# Altium PCB Bran_Main_Assay_PCB_v2_20170828.pcbdoc (part 5 of 5)
Units mil, origin at the board's own origin, x right, y up, seen from the top; angles counter-clockwise.
Board outline 3608.46 x 1899.79 mil, 6 copper layers (TOP, GND1, Singal, POWER, GND2, BOTTOM), stack 31.508 mil thick; 367 components, 288 nets, 1408 pads, 967 vias.
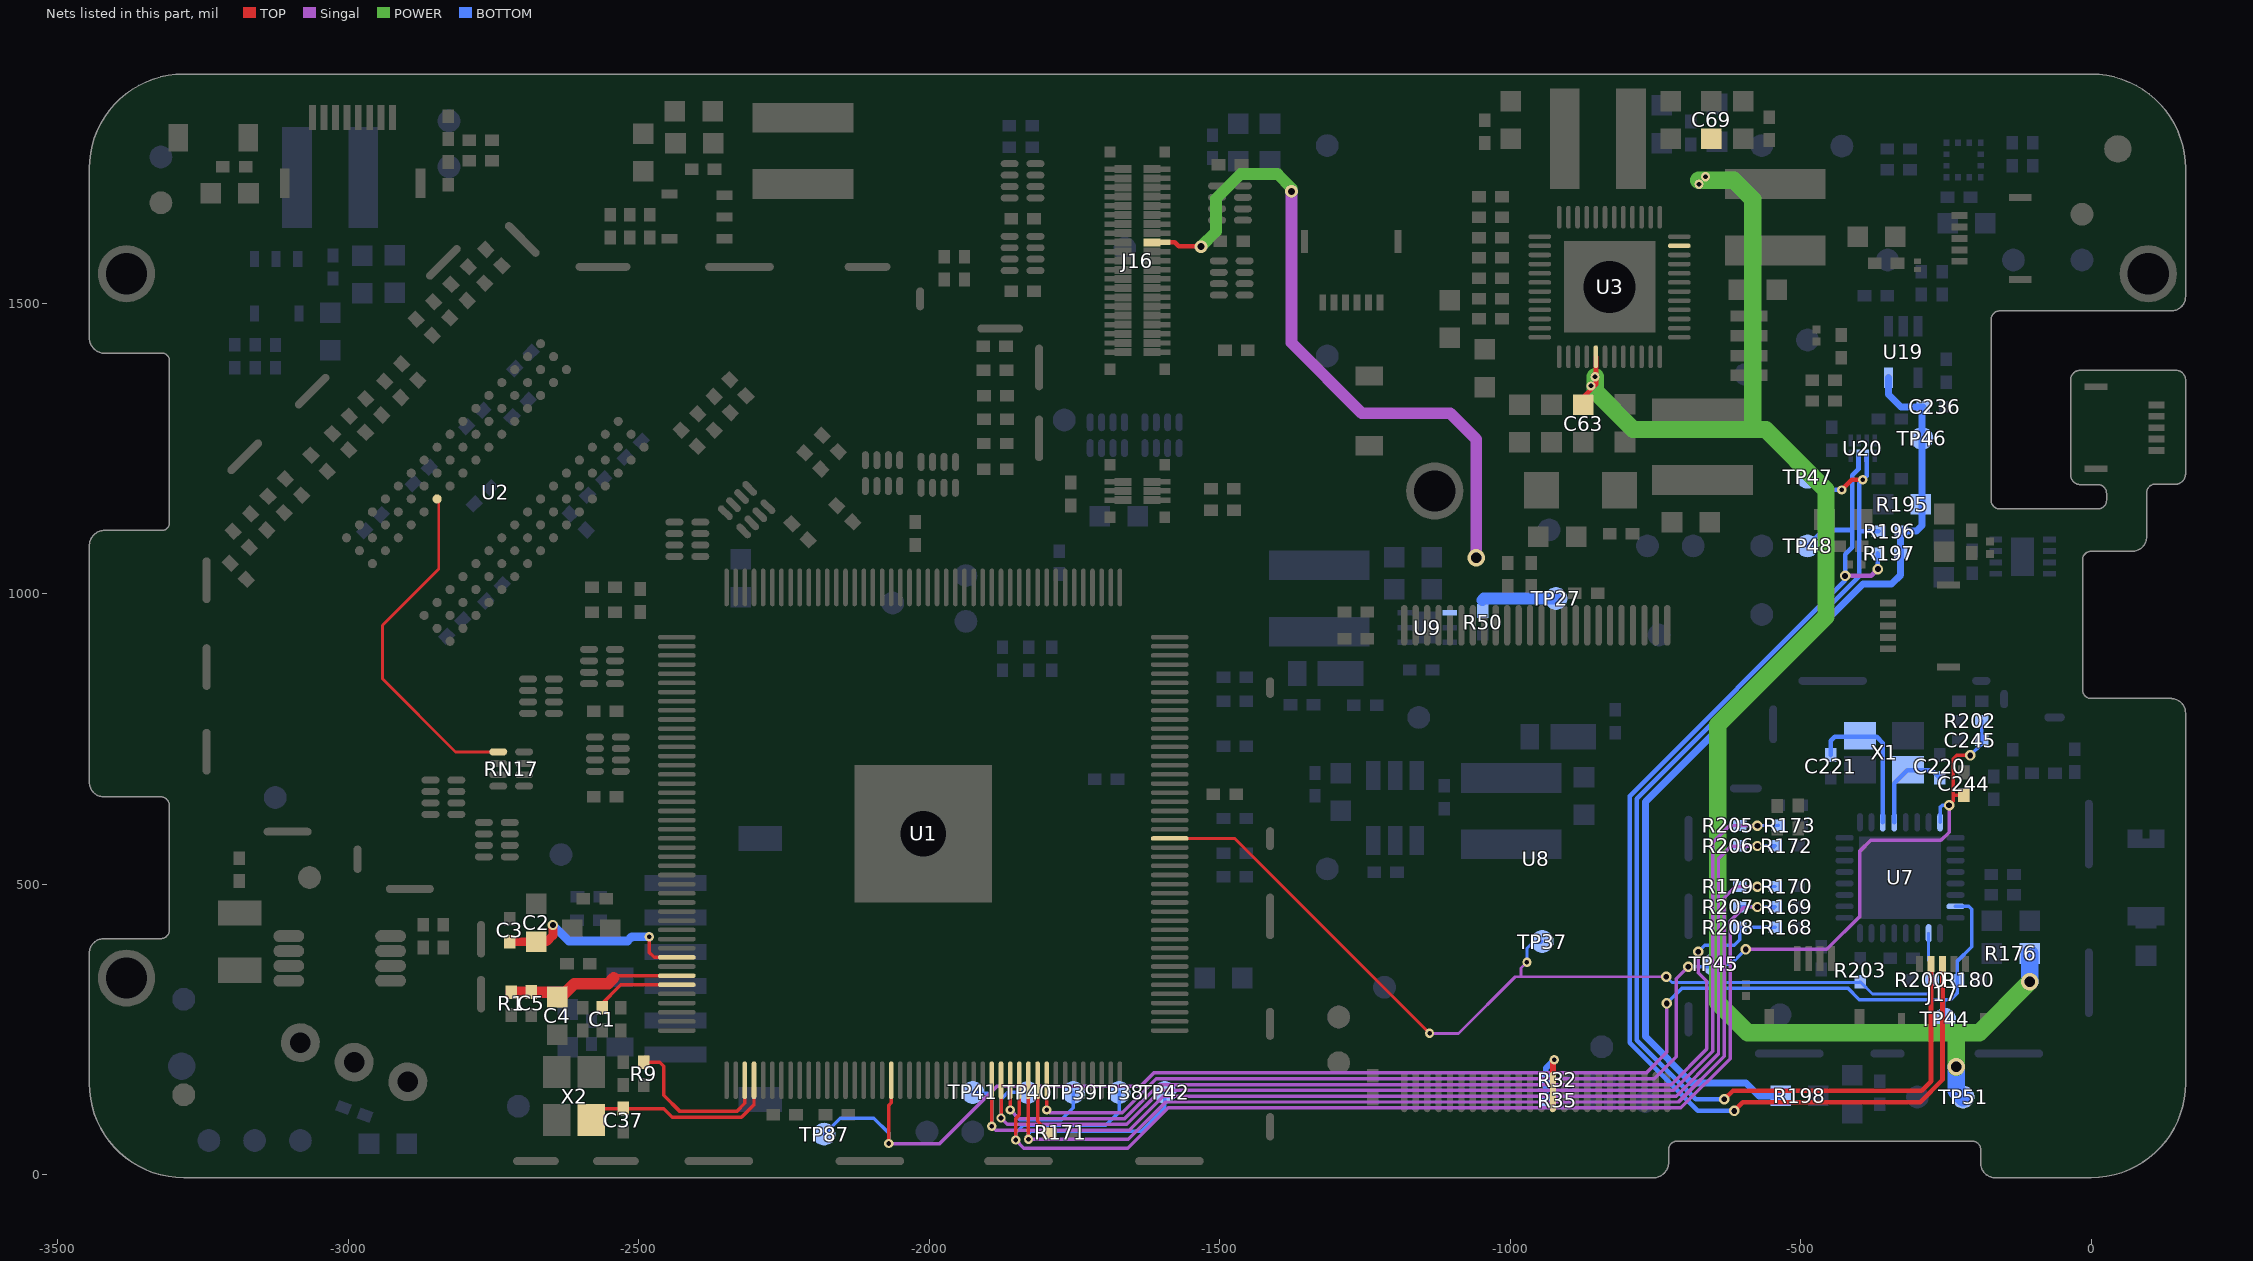
[diagram p9: the nets of this part, all layers, seen from the top]

## Via types
v1: diameter 16, hole 8, TOP to BOTTOM, tented both sides, 424 vias
v2: diameter 18, hole 10, TOP to BOTTOM, tented both sides, 255 vias
v3: diameter 22, hole 12, TOP to BOTTOM, tented both sides, 195 vias
v4: diameter 30, hole 18, TOP to BOTTOM, tented both sides, 69 vias
v5: diameter 24, hole 13, TOP to BOTTOM, tented both sides, 11 vias
v6: diameter 19.68, hole 7.87, TOP to BOTTOM, 9 vias
v7: diameter 22, hole 2, TOP to BOTTOM, tented both sides, 2 vias
v8: diameter 17.99, hole 10, TOP to BOTTOM, tented both sides, 1 vias
v9: diameter 20, hole 10, TOP to BOTTOM, tented both sides, 1 vias

## Nets (pads, with @x,y where several pads share a name; then routed paths per layer and width w, separated by ;. In a path a pad name is that pad's centre, name@x,y a point inside that pad or via, vN(x,y) a via of type N, cw(c..) or ccw(c..) an arc to the next point about the centre after c; other vN are vias at no path point) (continued)
VLED-: J16.17 R50.2 TP27.1 U9.1 | length 1325.9
  TOP w8: J16.17@-1616.73,1605.12 J16.17@-1593.5,1605.12 -1577.55,1605.12 -1570.67,1598.24 -1532.95,1598.24 v3(-1532.45,1597.74)
  Singal w20: v3(-1376.46,1693) -1376.45,1432.02 -1255.43,1311 -1103.46,1311 -1058.46,1266 v4(-1058.46,1062) v4@-1058.46,1060
  POWER w20: v3(-1532.45,1597.74) -1506.45,1623.74 -1506.45,1680.02 -1463.72,1722.74 -1400.69,1722.74 -1376.46,1698.51 v3(-1376.46,1693)
  BOTTOM w20: -1048.46,989 -1045.34,992.13 TP27.1@-921.26,992.13
VOC_1V8: C236.1 R195.2 R196.1 R197.1 R198.2 TP46.1 U19.5 | length 1698.2
  BOTTOM w12: R198.2@-534.44,135.99 -571.94,135.99 -593.95,158 -687.68,158 -767.46,237.79 -767.46,642.2 -392.67,1017 -343.46,1017 -327.78,1032.68 R197.1@-327.78,1070 R196.1@-327.78,1107 ; U19.5@-349.06,1372.32 -349.06,1343.59 -327.46,1322 C236.1@-289.15,1322 -291.31,1319.84 -290.96,1319.5 -290.96,1267.72 -290.96,1154 -290.96,1117.5 -300.46,1108 R196.1@-326.78,1108
VOC_SCL: J17.2 R196.2 TP47.1 U20.2 | length 2077.8
  TOP w8: v2(-631.46,130) -616.46,145 -291.46,145 -275.59,160.87 J17.2@-275.59,363.19 ; v1(-429.3,1178.99) -411.85,1196.44 v1(-393.02,1196.44)
  BOTTOM w8: v2(-631.46,130) -680.46,130 -782.46,232 -782.46,647 -399.46,1030 -399.46,1190 v1(-393.02,1196.44) -386.57,1202.89 U20.2@-386.57,1237.81 ; TP47.1@-488.19,1200.79 -466.39,1178.99 v1(-429.3,1178.99) ; -398.46,1108 R196.2@-366.15,1108
VOC_SDA: J17.3 R197.2 TP48.1 U20.3 | length 2160.4
  TOP w8: v2(-614.46,110) -599.46,125 -294.49,125 -255.91,163.59 J17.3@-255.91,363.19
  Singal w8: v2(-423.46,1031) -378.83,1031 v2(-367.15,1042.69)
  BOTTOM w8: v2@-615.46,110 -677.44,110 -794.46,227.03 -794.46,651.97 -423.96,1022.47 -423.96,1031 -423.96,1032.5 v2@-423.46,1033 ; TP48.1@-488.19,1082.68 -460.87,1110 -411.46,1110 ; v2(-423.46,1031) v2@-423.46,1033 ; U20.3@-400.35,1237.81 -400.35,1215.11 -411.46,1204 -411.46,1110 ; v2(-367.15,1042.69) R197.2@-367.15,1070 ; v2@-423.46,1033 -423.46,1068 -411.46,1080 -411.46,1110
VPS: R32.2 R35.1 U8.38 | length 132.7
  TOP w10: U8.38@-926.5,142.68 -926.5,195.83 v1(-924.02,198.31)
  BOTTOM w10: R35.1@-938.7,128.31 R32.2@-938.7,163.31 -938.7,183.62 v1(-924.02,198.31)
VRA1: C1.2 U1.83 | length 152.2
  TOP w6: C1.2@-2565.65,285.51 -2565.65,287.68 -2565.65,292.29 -2530.85,327.08 U1.83@-2434.64,327.08
VRA2: C4.2 C5.2 R1.2 U1.82 | length 315.8
  TOP w6: -2542.96,339.01 -2539.14,342.83 U1.82@-2434.64,342.83
  TOP w20: R1.2@-2719.94,314.41 -2685.31,314.41 -2640.78,314.41 C4.2@-2625.53,314.41 ; C4.2@-2640.78,306.13 -2633.8,306.13 C4.2@-2625.53,314.41 ; -2542.96,339.01 -2552.98,328.99 -2610.94,328.99 C4.2@-2625.53,314.41
VRP: C2.2 C3.2 U1.80 | length 354.7
  TOP w6: v1(-2482.02,409.63) -2482.43,409.22 -2482.43,383.31 -2473.44,374.32 U1.80@-2434.64,374.32
  TOP w15: C3.2@-2721.94,401.31 -2676.94,401.31 -2658.63,401.31 -2647.94,411.99 v2(-2647.94,429.99)
  BOTTOM w15: v2(-2647.94,429.99) -2620.5,402.54 -2519.5,402.54 -2512.41,409.63 v1(-2482.02,409.63)
WE: RN17.1 U2.L3 | length 602.4
  TOP w5: U2.L3@-2847.28,1163.41 -2844.43,1160.56 -2844.43,1042.92 -2941.43,945.92 -2941.43,853.91 -2815.55,728.03 RN17.1@-2742.03,728.03
WI-FI_EN: R180.1 TP44.1 TP87.1 U1.107 U7.7 | length 2496.4
  TOP w6: v1(-2070.02,53.83) -2070.02,119.37 -2065.55,123.83 U1.107@-2065.55,162.71
  Singal w6: v1(-2070.02,53.83) -1982.14,53.83 -1883.14,152.83 -1636.11,152.83 -1613.62,175.33 -766.14,175.33 -730.46,211 v2(-730.46,295)
  BOTTOM w6: TP87.1@-2181.1,69.97 -2153.53,97.54 -2095.49,97.54 -2070.02,72.06 v1(-2070.02,53.83) v1@-2070.02,51.74 ; v2(-730.46,295) -703.96,321.5 -418.96,321.5 -398.96,301.5 -253.46,301.5 ; TP44.1@-252.46,256.4 TP44.1@-251.97,255.91 ; TP44.1@-251.97,267.72 -253.46,269.21 -253.46,301.5 ; U7.7@-233.54,462.09 -210.56,462.09 -205.46,457 -205.46,392.68 -230.15,367.99 R180.1@-230.15,336 -230.15,313.32 -241.96,301.5 -253.46,301.5
WIFI_3V3: C63.2 C69.2 R176.1 TP51.1 U3.11 U3.41 | length 2810.8
  TOP w8: C63.2@-874.02,1325.81 -874.02,1338.31 -857.64,1354.68 -852.39,1359.94 -852.39,1373.99 -852.39,1407.98 U3.41@-852.64,1408.23
  POWER w30: v1(-853.94,1373.99) -853.94,1357.99 -853.94,1348.99 -787.95,1283 -577.46,1283 ; v1@-675.76,1711.81 -674.94,1711.81 -663.94,1711.81 -615.27,1711.81 -582.46,1679 -582.46,1288 -577.46,1283 ; v4@-231.94,184.99 -231.94,186 -231.94,244.83 ; v4(-105.46,332) -192.64,244.83 -231.94,244.83 ; -577.46,1283 -560.46,1283 -456.46,1179 -456.46,961 -642.46,775 -642.46,295.82 -591.48,244.83 -231.94,244.83
  BOTTOM w30: v4(-232.46,186) -232.46,144.95 -220.92,133.41 TP51.1@-220.47,132.96 ; R176.1@-105.96,381 -105.46,380.5 v4(-105.46,332)
  other v1: -860.94,1357.99 -674.94,1704.99 -663.94,1717.99
WL-RESTN: C244.2 C245.1 R202.1 TP45.1 U1.124 U7.32 | length 2242.4
  TOP w6: v1(-1797.83,111.73) U1.124@-1797.83,162.71 ; v2(-244.46,636) -237.15,643.31 -237.15,653.31 ; C244.2@-219.46,653.31 -237.15,653.31 ; v2(-207.94,721.99) -231.47,721.99 -237.15,716.31 -237.15,653.31
  Singal w6: v1(-1797.83,111.73) -1792.83,106.73 -1668.07,106.73 -1609.48,165.33 -751.94,165.33 -713.94,203.33 -713.94,337.52 v2(-693.46,358) ; v2(-594.46,388) -455.29,388 -397.96,445.33 -397.96,557.5 -379.46,576 -258.46,576 -244.46,590 v2(-244.46,636)
  BOTTOM w6: v2@-695.46,358 v2(-693.46,358) -653.81,358 TP45.1@-649.61,362.2 -620.26,362.2 v2(-594.46,388) ; U7.32@-260.12,606.78 -260.12,632.35 -256.46,636 v2(-244.46,636) ; v2(-207.94,721.99) -188.26,741.68 C245.1@-188.26,747.99 R202.1@-188.26,781.99
WL-SDIO-CLK: R171.1 U1.123 | length 99.2
  TOP w6: U1.123@-1813.58,162.71 -1813.58,92.43 R171.1@-1793.15,72
WL-SDIO-CMD: R170.1 R179.2 TP42.1 U1.122 | length 2053.4
  TOP w6: v1@-1832.83,64.5 v1(-1829.33,61) ; v1@-1829.33,59.86 v1(-1829.33,61) ; U1.122@-1829.33,162.71 -1829.46,162.58 -1829.46,93.86 -1829.33,93.73 v1(-1829.33,61)
  Singal w6: v1(-1829.33,61) -1657.24,61 -1592.91,125.33 -710.28,125.33 -631.46,204.14 -631.46,477 -612.46,496 v2(-574.46,496)
  BOTTOM w6: v1(-1829.33,61) -1829.33,71.14 -1825.46,75 -1635.46,75 -1594.8,115.66 -1594.49,115.66 TP42.1@-1594.49,141.73 ; R179.2@-604.78,496.31 -574.46,496.31 R170.1@-543.7,496.31
WL-SDIO-D0: R172.1 R206.1 TP41.1 U1.118 | length 1949.3
  TOP w6: v1(-1892.32,83.73) U1.118@-1892.32,162.71
  Singal w6: v1(-1892.32,83.73) -1885.32,76.73 -1655.65,76.73 -1597.05,135.33 -714.42,135.33 -641.46,208.28 -641.46,544 -619.46,566 v2(-574.46,566)
  BOTTOM w6: TP41.1@-1925.2,141.73 -1923.46,140 -1899.46,140 -1892.32,132.85 v1(-1892.32,83.73) ; R206.1@-604.79,566.31 -574.46,566.31 R172.1@-543.7,566.31 R172.1@-546.18,563.83
WL-SDIO-D1: R173.1 R205.1 TP40.1 U1.119 | length 1952.7
  TOP w6: v1@-1876.57,93.85 v1(-1876.57,97.73) U1.119@-1876.57,162.71
  Singal w6: v1(-1876.57,97.73) -1865.57,86.73 -1659.79,86.73 -1601.2,145.33 -718.56,145.33 -651.46,212.43 -651.46,572 -622.46,601 v2(-574.46,601) v2@-573.46,601
  BOTTOM w6: v1@-1879.02,100.18 v1(-1876.57,97.73) -1876.57,129.9 -1864.73,141.73 TP40.1@-1830.71,141.73 ; R205.1@-604.79,601.31 -574.46,601.31 -539,601.31 R173.1@-538.77,601.54
WL-SDIO-D2: R168.1 R208.1 TP39.1 U1.120 | length 1793.2
  TOP w6: v1(-1860.82,111.73) U1.120@-1860.82,162.71
  Singal w6: v1(-1860.82,111.73) -1845.82,96.73 -1663.93,96.73 -1605.34,155.33 -722.71,155.33 -661.46,216.57 -661.46,332.99 -676.46,347.99 v2(-676.46,384)
  BOTTOM w6: v1(-1860.82,111.73) -1844.09,95 -1772.63,95 -1751.97,115.66 TP39.1@-1751.97,141.73 ; v2(-676.46,384) -665.46,395 -614.46,395 -604.79,404.68 R208.1@-604.79,426.31 R168.1@-543.7,426.31
WL-SDIO-D3: R169.1 R207.1 TP38.1 U1.121 | length 2002.4
  TOP w5: U1.121@-1845.08,162.71 U1.121@-1844.95,162.58
  TOP w6: v1(-1851.02,59.83) -1851.02,96.93 -1844.95,103 U1.121@-1844.95,162.58
  Singal w6: v1(-1851.02,59.83) -1837.18,46 -1658.1,46 -1588.77,115.33 -706.14,115.33 -621.46,200 -621.46,437 -597.46,461 v2(-574.46,461)
  BOTTOM w6: v1(-1851.02,59.83) -1851.02,72.45 -1838.46,85 -1696.46,85 -1672.46,109 -1673.23,109.76 TP38.1@-1673.23,141.73 ; R207.1@-604.79,461.31 -574.46,461.31 R169.1@-543.7,461.31 R169.1@-546.18,458.83
WL-WAKE-UP: R200.2 R203.1 TP37.1 U1.154 U7.10 | length 1692
  TOP w5: U1.154@-1586.22,579.05 -1474.25,579.05 v1(-1138.83,243.63)
  Singal w5: v1@-1138.54,243.33 -1089.02,243.33 -991.36,341 -981.3,341 ; v1(-971.3,365.99) -981.3,355.99 -981.3,341 ; v2(-731.46,341) -981.3,341
  BOTTOM w5: v1(-971.3,365.99) -971.3,389.99 -961.3,399.99 -946.46,399.99 TP37.1@-944.88,401.57 ; v2(-731.46,341) -721.46,331 -398.78,331 R203.1@-397.46,332.32 -376.15,311 -281.78,311 -273.78,319 R200.2@-273.78,336 -273.78,363.31 -279.8,369.34 U7.10@-279.8,415.83
X24MI: C37.2 U1.92 X2.1 | length 353
  TOP w6: X2.1@-2582.02,94.31 -2582.02,106.83 -2574.85,113.99 C37.2@-2527.02,113.99 -2457.46,113.99 -2442.46,99 -2323.32,99 -2301.77,120.55 U1.92@-2301.77,162.71
X24MO: R9.1 U1.91 | length 284
  TOP w6: R9.1@-2491.46,193.99 -2464.18,193.99 -2457.02,186.83 -2457.02,136.83 -2429.19,109 -2331.46,109 -2317.52,122.95 U1.91@-2317.52,162.71
XTAL_IN: C220.1 U7.28 X1.1 | length 159.7
  BOTTOM w8: U7.28@-338.86,606.78 -338.86,673.98 -316.54,696.31 -314.94,696.31 -273.94,696.31 C220.1@-260.94,683.31
XTAL_OUT: C221.1 U7.27 X1.3 | length 257.7
  BOTTOM w8: C221.1@-447.94,722.68 -447.94,747.39 -441.51,753.83 -397.62,753.83 -369.02,753.83 -358.54,743.35 U7.27@-358.54,606.78
pads on no net: J4.9 J4.10 J5.5 J6.3 J6.4 J17.5 J18.5 M1.4 M1.5 M2.4 M2.5 U1.14 U1.15 U1.74 U1.77 U1.78 U1.84 U1.85 U1.87 U1.88 U1.89 U1.90 U1.95 U1.96 U1.99 U1.150 U1.155 U2.J1 U2.J9 U2.L1 U2.L9 U2.M7 U3.3 U3.5 U3.18 U3.19 U3.29 U3.30 U7.5 U7.6 U7.8 U7.9 U7.12 U7.13 U7.14 U7.15 U7.25 U8.3 U8.4 U8.5 U8.11 U8.14 U8.15 U8.20 U8.21 U8.22 U8.26 U8.27 U8.28 U8.33 U8.40 U8.45 U8.46 U8.47 U9.2 U21.3 U21.6

## Polygon pours and split planes (outlines as drawn)
GND on TOP "Bottom-No Net" (solid, remove dead copper, pour order 613): -3639,2001 -3611,1973 184,1973 184,-106 168,-90 -3639,-90
CORE-VDD on TOP "Bottom Layer-No Net" (solid, remove dead copper, pour order 550): -2002.45,850.74 -1660.45,850.74 -1659.45,849.74 -1660.45,848.74 -1660.45,592.74 -1660.45,510.74 -1661.45,509.74 -1662.45,508.74 -1816.45,508.74 -1816.45,756.74 -1817.45,757.74 -1821.45,761.74 -2010.45,761.74 -2010.45,848.74 -2008.45,850.74
IPSOUT on TOP "TOP-No Net 1" (solid, remove dead copper, pour order 560): -2570.45,1752.74 -2570.45,1675.74 -2431.45,1675.74 -2426.45,1670.74 -2427.45,1671.74 -2427.45,1752.74
N502826 on TOP "TOP-No Net 1" (solid, remove dead copper, pour order 552): -2127.45,1795.74 -2342.45,1795.74 -2342.45,1711.74 -2345.45,1708.74 -2346.45,1709.74 -2379.45,1709.74 -2379.45,1853.74 -2376.45,1856.74 -2372.45,1860.74 -2127.45,1860.74
N502982 on TOP "TOP-No Net 1" (solid, remove dead copper, pour order 551): -2124.45,1731.74 -2123.45,1730.74 -2123.45,1676.74 -2368.45,1676.74 -2368.45,1696.74 -2306.45,1696.74 -2306.45,1732.74 -2127.45,1732.74 -2126.45,1731.74
N497618 on TOP "TOP-No Net 1" (solid, remove dead copper, pour order 546): -789.65,1388.31 -788.78,1387.44 -758.15,1387.44 -744.02,1373.31 -739.02,1378.31 -574.02,1378.31 -574.02,1283.31 -578.92,1278.4 -781.42,1278.4 -781.42,1340.9 -779.02,1343.31 -784.02,1348.31 -789.02,1348.31
N496496 on TOP "Bottom Layer-No Net" (solid, remove dead copper, pour order 544): -689.02,1553.31 -689.02,1583.31 -688.9,1583.43 -673.9,1583.43 -644.02,1613.31 -639.02,1618.31 -629.02,1618.31 -455.91,1618.31 -453.4,1620.81 -445.89,1613.3 -445.89,1551.18 -631.89,1551.18 -634.02,1553.31 -659.02,1553.31 -687.64,1553.31 -689.02,1551.93
DCIN-5V on TOP "TOP-No Net 1" (solid, remove dead copper, pour order 556): -1274.45,1481.28 -1274.45,1382.15 -1273.45,1381 -1136.45,1381 -1136.45,1484.74 -1139.45,1481.28 -1274.45,1481.28
N496392 on TOP "Bottom Layer-No Net" (solid, remove dead copper, pour order 548): -841.45,1222.74 -842.45,1221.74 -842.45,1131.74 -801.45,1131.74 -801.45,1067.74 -700.45,1067.74 -699.45,1066.74 -697.45,1068.74 -697.45,1159.74 -577.45,1159.74 -576.45,1158.74 -576.45,1225.74 -841.45,1225.74 -842.45,1224.74
GND on TOP "GRD" (solid, pour order 561): -50.46,1391 -46.46,1387 172.54,1387 172.54,1190 166.54,1184 162.54,1180 -46.46,1180
IPSOUT on TOP "Bottom Layer-No Net" (solid, remove dead copper, pour order 531): -2119.46,1919 -2119.46,1708 -2119.46,1692 -2110.77,1683.31 -1014.33,1683.31 -1014.33,1941.87 -1032.46,1960
USBVBUS on TOP "Bottom Layer-No Net" (solid, remove dead copper, pour order 538): -3122.46,1623 -3195.46,1623 -3195.46,1819 -3144.46,1819 -3077.46,1819 -3077.46,1801 -3077.46,1795 -3013.46,1795 -3013.46,1730 -3019.46,1736 -3129.46,1736 -3118.46,1736 -3118.46,1666 -3118.46,1623
N17550467 on BOTTOM "Bottom Layer-No Net" (solid, pour order 543): -1173.45,600.83 -910.45,600.83 -903.45,600.83 -903.45,535.83 -904.45,536.83 -995.45,536.83 -1173.45,536.83
N17550444 on BOTTOM "Bottom Layer-No Net" (solid, pour order 542): -1174.45,657.83 -846.45,657.83 -846.45,768.83 -846.45,777.83 -880.45,777.83 -931.45,777.83 -931.45,762.83 -931.45,710.83 -948.45,710.83 -1119.45,710.83 -1119.45,720.83 -1119.45,723.83 -1144.45,723.83 -1174.45,723.83
IPSOUT on BOTTOM "Bottom Layer-No Net" (solid, pour order 541): -1109.45,814.83 -1020.45,814.83 -1020.45,867.83 -1020.45,875.83 -966.45,875.83 -934.45,875.83 -934.45,844.83 -934.45,783.83 -933.45,782.83 -933.45,753.83 -933.45,723.83 -938.45,718.83 -1109.45,718.83
N499376 on BOTTOM "Bottom Layer-No Net" (solid, pour order 540): -3173.45,1499.83 -3150.45,1499.83 -3150.45,1447.83 -3114.45,1447.83 -3107.45,1447.83 -3107.45,1425.83 -3107.45,1409.83 -3145.45,1409.83 -3213.45,1409.83 -3213.45,1447.83 -3172.45,1447.83 -3172.45,1487.83 -3172.45,1499.83
BAT on BOTTOM "Bottom Layer-No Net" (solid, remove dead copper, pour order 539): -2936.02,201.31 -2791.02,201.31 -2741.02,151.31 -2727.02,137.31 -2727.02,101.31 -2727.02,24.31 -2728.02,23.31 -2892.02,23.31 -2935.02,23.31 -2936.02,24.31
CORE-VDD on BOTTOM "Bottom Layer-No Net" (solid, remove dead copper, pour order 554): -1733.45,566.74 -1733.45,499.74 -1734.45,498.74 -1734.45,493.74 -1479.45,493.74 -1487.45,501.74 -1487.45,584.74 -1733.45,584.74
CPU-VDD on BOTTOM "Bottom Layer-No Net" (solid, remove dead copper, pour order 553): -1724.45,839.74 -1703.45,839.74 -1703.45,859.74 -1702.45,860.74 -1654.45,908.74 -1635.45,927.74 -1477.45,927.74 -1477.45,593.74 -1478.45,592.74 -1484.45,598.74 -1600.45,598.74 -1600.45,781.74 -1604.45,785.74 -1723.45,785.74
N499368 on BOTTOM "TOP-No Net 1" (solid, remove dead copper, pour order 547): -2885.45,1811.74 -2886.45,1810.74 -2886.45,1564.74 -3046.45,1564.74 -3047.45,1563.74 -3046.45,1564.74 -3046.45,1610.74 -2999.45,1610.74 -2998.45,1611.74 -2998.45,1810.74
DCIN-5V on BOTTOM "TOP-No Net 1" (solid, remove dead copper, pour order 557): -970.45,1503.74 -972.45,1501.55 -1274.45,1501.55 -1274.45,1382.1 -1275.45,1381 -1274.45,1382.1 -996.45,1382.1 -996.45,1447.85 -995.45,1448.95 -994.45,1447.85 -970.45,1447.85
IPSOUT on BOTTOM "TOP-No Net 1" (solid, remove dead copper, pour order 558): -2967.45,1442.74 -2968.45,1441.74 -3063.45,1441.74 -3063.45,1499.74 -3099.45,1499.74 -3099.45,1395.74 -3096.45,1392.74 -2967.45,1392.74
GND on BOTTOM "GRD" (solid, remove dead copper, pour order 562): -53.46,1390 168.54,1390 170.54,1392 162.54,1384 162.54,1190 -59.46,1190 -60.46,1189
VLED- on BOTTOM "Bottom Layer-No Net" (solid, remove dead copper, pour order 525): -1116.46,958.98 -1115.46,958 -1034.46,958 -1034.46,1079.02 -1033.46,1080 -1035.46,1078.05 -1080.46,1078.05 -1085.46,1078.05 -1085.46,991.18 -1085.46,979.47 -1107.46,979.47 -1116.46,979.47
N17800564 on BOTTOM "Bottom Layer-No Net" (solid, remove dead copper, pour order 526): -1167.46,922 -1167.46,930 -1232.46,930 -1233.46,931 -1232.46,932 -1232.46,963 -1423.46,963 -1423.46,869 -1398.46,869 -1398.46,830 -1343.46,830 -1342.46,831 -1341.46,832 -1341.46,898 -1169.46,898 -1167.46,900
N17800108 on BOTTOM "Bottom Layer-No Net" (solid, remove dead copper, pour order 529): -1179.46,1094 -1423.46,1094 -1423.46,1047 -1423.46,1021 -1422.46,1022 -1235.46,1022 -1235.46,962 -1234.46,963 -1166.46,963 -1166.46,977 -1167.46,976 -1179.46,976 -1179.46,1094
IPSOUT on BOTTOM "Bottom Layer-No Net" (solid, remove dead copper, pour order 532): -1153.54,1029.09 -1152.15,1030.18 -1071.83,1030.18 -1071.83,1090.13 -916.71,1090.13 -913.94,1092.31 -913.94,1137 -1152.15,1137 -1153.54,1135.91 -1160.46,1135.91 -1160.46,1028
VLED+ on BOTTOM "Bottom Layer-No Net" (solid, remove dead copper, pour order 534): -1333.46,892 -1157.46,892 -1157.46,852.25 -1157.46,839 -1306.46,839 -1331.46,839 -1333.46,841.21
HPVCC on BOTTOM "Bottom Layer-No Net" (solid, remove dead copper, pour order 530): -1568.46,1768 -1567.36,1769 -1354.3,1769 -1354.3,1714.76 -1353.46,1714 -1456.97,1714 -1568.35,1714 -1568.46,1714.11
VCC-5V on BOTTOM "Bottom Layer-No Net" (solid, remove dead copper, pour order 528): -2719.46,240 -2611.46,240 -2373.46,240 -2373.46,220 -2373.46,181 -2487.46,181 -2710.46,181 -2719.46,172
VCC-5V on BOTTOM "Bottom Layer-No Net" (solid, remove dead copper, pour order 533): -1183.46,659 -1183.46,762 -1183.46,828 -1184.46,829 -1249.46,829 -1249.46,782 -1322.46,782 -1358.46,782 -1358.46,727 -1358.46,668 -1284.46,668 -1269.46,668 -1269.46,709 -1269.46,732 -1239.46,732 -1216.46,732 -1216.46,708 -1216.46,659
CORE-VDD on BOTTOM "Bottom Layer-No Net" (solid, remove dead copper, pour order 536): -1126.46,1650 -1282.46,1650 -1282.46,1849 -1131.46,1849 -758.46,1849 -758.46,1810 -758.46,1739 -760.46,1741 -1019.46,1741 -1126.46,1741
USBVBUS on BOTTOM "Bottom Layer-No Net" (solid, remove dead copper, pour order 537): -1348.46,1735 -1265.46,1735 -1265.46,1632 -1264.46,1633 -1224.46,1633 -1009.46,1633 -978.46,1602 -962.46,1586 -962.46,1509 -1344.46,1509 -1348.46,1513
CORE-VDD on BOTTOM "Bottom Layer-No Net" (solid, remove dead copper, pour order 555): -2009.45,258.74 -2009.45,182.74 -2043.45,148.74 -2052.45,139.74 -2235.45,139.74 -2249.45,139.74 -2251.45,137.74 -2253.45,139.74 -2253.45,700.74 -2253.45,923.74 -2252.45,924.74 -2251.45,925.74 -2034.45,925.74 -1968.45,925.74 -1958.45,915.74 -1953.45,910.74 -1953.45,753.74 -1953.45,744.74 -1955.45,742.74 -1956.45,743.74 -2188.45,743.74 -2188.45,258.74 -2187.45,257.74
GND on BOTTOM "Bottom-No Net" (solid, remove dead copper, pour order 609): -3588,1972 207,1972 213,1966 213,-89 183,-119 -3457,-119 -3511,-65
BAT on POWER "Bottom Layer-No Net" (solid, remove dead copper, pour order 45): -2853.3,35.99 -2727.3,35.99 -2727.3,61.99 -2697.3,61.99 -2207.3,61.99 -2146.3,122.99 -2146.3,234.99 -1732.3,234.99 -1556.3,410.99 -1530.3,436.99 -1530.3,533.99 -1530.3,583.99 -1512.3,601.99 -1508.3,605.99 -1384.3,605.99 -1382.3,605.99 -1342.3,565.99 -1179.3,402.99 -1099.3,402.99 -946.3,402.99 -881.3,467.99 -818.3,530.99 -818.3,615.99 -818.3,1239.99 -818.3,1255.99 -818.3,1264.99 -855.3,1301.99 -908.3,1354.99 -976.3,1354.99 -976.3,1316.99 -950.3,1290.99 -930.3,1270.99 -930.3,1177.99 -930.3,598.99 -963.3,565.99 -995.3,533.99 -1138.3,533.99 -1140.3,533.99 -1249.3,642.99 -1322.3,715.99 -1563.3,715.99 -1569.3,715.99 -1649.3,635.99 -1668.3,616.99 -1668.3,484.99 -1668.3,478.99 -1702.3,444.99 -1792.3,354.99 -1901.3,354.99 -2205.3,354.99 -2270.3,289.99 -2279.3,280.99 -2279.3,196.99 -2293.3,182.99 -2299.3,176.99 -2853.3,176.99
DRAM-VCC on POWER "TOP-No Net 1" (solid, remove dead copper, pour order 559): -2806.45,1622.74 -2734.45,1622.74 -2656.45,1544.74 -2641.45,1544.74 -1849.45,1544.74 -1826.45,1521.74 -1811.45,1506.74 -1811.45,1284.74 -1818.45,1284.74 -1955.45,1147.74 -1960.45,1142.74 -1960.45,932.74 -2324.45,932.74 -2325.45,931.74 -2328.45,928.74 -2328.45,637.74 -2328.45,582.74 -2329.45,581.74 -2331.45,579.74 -3245.45,579.74 -3245.45,1166.74 -2788.45,1623.74
VCC-WIFI-3V3 on POWER "Bottom Layer-No Net" (solid, remove dead copper, pour order 535): -619.46,652 -620.46,651 -620.46,461 -620.46,308 -619.46,309 -359.46,309 -144.46,309 -143.46,308 -174.46,339 -174.46,671 -617.46,671 -619.46,669
IPSOUT on POWER "GRD" (solid, remove dead copper, pour order 563): -1080.3,1748 -1076.01,1752 -637.61,1752 -637.61,1520 -635.46,1518 -636.54,1517 -636.54,1356 -636.54,1334 -638.68,1332 -639.75,1331 -1079.23,1331
BAT on POWER "Bottom Layer-No Net" (solid, remove dead copper, pour order 47): -2279.3,269.99 -2279.3,305.99 -2230.3,354.99 -2217.3,367.99 -2140.3,367.99 -1812.3,367.99 -1738.3,441.99 -1693.3,486.99 -1693.3,590.99 -1693.3,627.99 -1674.3,646.99 -1668.3,652.99 -1593.3,652.99 -1593.3,461.99 -1687.3,367.99 -1740.3,314.99 -2189.3,314.99 -2189.3,311.99 -2230.3,270.99
BAT on POWER "Bottom Layer-No Net" (solid, remove dead copper, pour order 49): -2279.3,304.99 -2415.3,168.99 -2419.3,168.99 -2419.3,142.99 -2415.3,138.99 -2406.3,147.99 -2242.3,147.99 -2242.3,308.99
BAT on POWER "Bottom Layer-No Net" (solid, remove dead copper, pour order 55): -1322.3,715.99 -1301.3,715.99 -1299.3,715.99 -1280.3,696.99 -1137.3,553.99 -1095.3,553.99 -1007.3,553.99 -961.3,599.99 -950.3,610.99 -950.3,698.99 -950.3,798.99 -949.3,799.99 -948.3,800.99 -932.3,800.99 -893.3,800.99 -891.3,798.99 -895.3,794.99 -895.3,550.99 -895.3,548.99 -949.3,494.99 -956.3,501.99 -1195.3,501.99 -1195.3,578.99 -1330.3,713.99
BAT on POWER "Bottom Layer-No Net" (solid, pour order 59): -818.3,530.99 -808.3,540.99 -808.3,569.99 -808.3,1263.99 -808.3,1264.99 -818.3,1264.99 -825.3,1264.99 -825.3,528.99 -826.3,527.99
CORE-VDD on POWER "Bottom Layer-No Net" (solid, remove dead copper, pour order 61): -2009.3,849.99 -1883.3,849.99 -1883.3,783.99 -1882.3,782.99 -1763.3,782.99 -1684.3,782.99 -1668.3,798.99 -1639.3,827.99 -1639.3,958.99 -1639.3,964.99 -1641.3,966.99 -1554.3,966.99 -1410.3,966.99 -1322.3,1054.99 -1321.3,1055.99 -1321.3,1223.99 -1321.3,1240.99 -1224.3,1337.99 -1180.3,1381.99 -1180.3,1639.99 -1180.3,1709.99 -1116.3,1709.99 -1116.3,1293.99 -1165.3,1244.99 -1210.3,1199.99 -1210.3,1009.99 -1210.3,1003.99 -1280.3,933.99 -1327.3,886.99 -1474.3,886.99 -1517.3,886.99 -1517.3,853.99 -1571.3,799.99 -1653.3,717.99 -2010.3,717.99
CORE-VDD on POWER "Bottom Layer-No Net" (solid, remove dead copper, pour order 63): -1194.3,1366.99 -1194.3,1705.99 -1183.3,1716.99 -1182.3,1717.99 -1121.3,1717.99 -1117.3,1717.99 -1116.3,1718.99
CORE-VDD on POWER "Bottom Layer-No Net" (solid, remove dead copper, pour order 67): -1194.3,1695.19 -1194.3,1717.99 -1140.3,1717.99 -1139.3,1716.99 -1139.3,1650.99 -1194.3,1650.99
CORE-VDD on POWER "Bottom Layer-No Net" (solid, remove dead copper, pour order 69): -1117.3,1660.99 -1102.3,1660.99 -1102.3,1296.99 -1155.3,1243.99 -1202.3,1196.99 -1202.3,1109.99 -1202.3,991.99 -1266.3,927.99 -1319.3,874.99 -1491.3,874.99 -1492.3,874.99 -1549.3,817.99 -1582.3,784.99 -1590.3,784.99 -1590.3,901.99 -1581.3,910.99 -1563.3,928.99 -1393.3,928.99 -1345.3,928.99 -1260.3,1013.99 -1212.3,1061.99 -1212.3,1267.99 -1212.3,1268.99 -1136.3,1344.99 -1134.3,1346.99 -1134.3,1650.99
CORE-VDD on POWER "Bottom Layer-No Net" (solid, remove dead copper, pour order 73): -1558.3,900.99 -1317.3,900.99 -1312.3,895.99 -1310.3,893.99 -1302.3,893.99 -1302.3,891.99 -1319.3,874.99 -1334.3,859.99 -1445.3,859.99 -1462.3,859.99 -1520.3,801.99 -1536.3,785.99 -1583.3,785.99 -1583.3,887.99 -1578.3,892.99 -1570.3,900.99 -1316.3,900.99
CPU-VDD on POWER "Bottom Layer-No Net" (solid, remove dead copper, pour order 75): -465.3,1753.99 -896.3,1753.99 -926.3,1783.99 -929.3,1786.99 -993.3,1786.99 -1173.3,1786.99 -1205.3,1754.99 -1207.3,1752.99 -1207.3,1722.99 -1207.3,1613.99 -1232.3,1588.99 -1266.3,1554.99 -1266.3,1409.99 -1266.3,1322.99 -1297.3,1291.99 -1339.3,1249.99 -1339.3,1167.99 -1339.3,1107.99 -1462.3,984.99 -1464.3,982.99 -1697.3,982.99 -1702.3,982.99 -1702.3,862.99 -1702.3,796.99 -1712.3,786.99 -1713.3,787.99 -1839.3,787.99 -1852.3,787.99 -1867.3,787.99 -1867.3,864.99 -1948.3,864.99 -1948.3,1121.99 -1849.3,1220.99 -1792.3,1277.99 -1583.3,1277.99 -1489.3,1277.99 -1366.3,1400.99 -1362.3,1404.99 -1362.3,1630.99 -1362.3,1648.99 -1284.3,1726.99 -1276.3,1734.99 -1276.3,1844.99 -1276.3,1855.99 -1054.3,1855.99 -461.3,1855.99 -461.3,1821.99 -461.3,1851.99 -457.3,1855.99 -456.3,1854.99 -456.3,1774.99 -456.3,1753.99
CPU-VDD on POWER "Bottom Layer-No Net" (solid, pour order 77): -1362.3,1634.99 -1387.3,1634.99 -1387.3,1537.99 -1387.3,1428.99 -1453.3,1362.99 -1488.3,1327.99 -1789.3,1327.99 -1790.3,1327.99 -1791.3,1326.99 -1791.3,1253.99 -1431.3,1253.99 -1410.3,1274.99 -1333.3,1351.99 -1333.3,1397.99 -1333.3,1623.99 -1330.3,1626.99
CORE-VDD on POWER "Bottom Layer-No Net" (solid, pour order 79): -2618.3,422.99 -2189.3,422.99 -2188.3,423.99 -2188.3,627.99 -2188.3,745.99 -2189.3,746.99 -1940.3,746.99 -1940.3,850.99 -1942.3,848.99 -2011.3,848.99 -2011.3,911.99 -2010.3,912.99 -2010.3,921.99 -2305.3,921.99 -2306.3,922.99 -2306.3,888.99 -2306.3,562.99 -2306.3,551.99 -2617.3,551.99
HPVCC on POWER "Bottom-No Net" (solid, remove dead copper, pour order 591): -368.46,1830 -366.46,1828 -47.46,1828 -47.46,1697.07 -47.24,1696.85 -251.72,1696.85 -251.97,1696.6 -251.46,1696.09 -251.46,1614.17 -366.64,1614.17 -368.46,1616
GND on POWER "Bottom-No Net" (solid, remove dead copper, pour order 601): -3559.06,1968.5 122.05,1968.5 185.04,1905.51 185.04,82.68 55.12,-47.24 -3539.37,-47.24 -3625.98,39.37
GND on GND1 "Bottom-No Net" (solid, remove dead copper, pour order 595): -3507.87,1972.44 133.86,1972.44 157.48,1948.82 157.48,-27.56 125.98,-59.06 -3468.5,-59.06 -3562.99,35.43
GND on Singal "Bottom-No Net" (solid, remove dead copper, pour order 597): -3484.25,1948.82 62.99,1948.82 181.1,1830.71 181.1,19.68 133.86,-27.56 -3417.32,-27.56 -3500,55.12
GND on GND2 "Bottom-No Net" (solid, remove dead copper, pour order 603): -3515.75,1952.76 129.92,1952.76 216.54,1866.14 216.54,74.8 98.43,-43.31 -3456.69,-43.31 -3574.8,74.8

## Keep-outs
Keep-Out Layer:
  lines w10: -3421.31,655.73 -3322.83,655.73 cw(c-3323.36,635.52) -3303.15,635 ; -3421.31,655.89 cw(c-3421.31,675.52) -3440.94,675.52 -3440.94,1084.65 cw(c-3419.29,1082.68) -3417.32,1104.33 -3318.9,1104.33 ccw(c-3320.87,1122.05) -3303.15,1124.02 -3303.15,1399.61 ccw(c-3320.87,1401.57) -3318.9,1419.29 -3417.32,1419.29 cw(c-3419.29,1440.94) -3440.95,1438.98 -3440.94,1732.28 cw(c-3283.46,1732.28) -3283.46,1889.76 0,1889.76 cw(c0,1732.28) 157.48,1732.28 157.48,1511.81 cw(c137.8,1511.81) 137.8,1492.13 -157.48,1492.13 ccw(c-157.48,1472.44) -177.17,1472.44 -177.17,1161.02 ccw(c-157.48,1161.02) -157.48,1141.34 11.81,1141.34 ccw(c11.81,1161.02) 31.5,1161.02 31.5,1173.23 ccw(c11.77,1173.27) 11.81,1193 -16.73,1193 ; -3303.15,636.06 -3303.15,421.26 cw(c-3322.83,421.26) -3322.83,401.57 -3420.21,401.57 ccw(c-3420.74,381.37) -3440.94,381.89 -3440.94,157.48 ccw(c-3283.46,157.48) -3283.46,0 -755.91,0 ccw(c-753.94,21.65) -732.28,19.68 -732.28,43.31 cw(c-712.6,43.31) -712.6,62.99 -204.72,62.99 cw(c-204.72,43.31) -185.04,43.31 -185.04,19.68 ccw(c-165.35,19.68) -165.35,0 0,0 ccw(c0,157.48) 157.48,157.48 157.48,795.28 ; -30.46,1205 ccw(c-18.65,1205) -18.65,1193.19 ; -30.43,1206 -30.43,1368.2 cw(c-18.61,1368.2) -18.61,1380.02 143.8,1380.02 ; 137.8,814.9 cw(c137.8,795.21) 157.48,795.21 ; 137.8,814.96 0,814.96 cw(c0,834.65) -19.69,834.65 -19.69,1059.06 cw(c-0.19,1058.87) 0,1078.36 70.87,1078.36 ccw(c70.87,1098.04) 90.55,1098.03 90.55,1173.23 cw(c110.78,1173.78) 110.24,1194.01 147.54,1194.01 ; 145.54,1194 ccw(c145.54,1205.81) 157.35,1205.81 ; 145.67,1380.02 cw(c145.67,1368.2) 157.48,1368.2 157.48,1206

## Other copper
TOP:
  rectangle net GND: -319,1528.57 -312,1549.16
  rectangle net N497492: -804.02,1678.31 -773.9,1753.31
  rectangle net DCIN-5V: -995.45,1474.74 -981.45,1484.74
  rectangle net IPSOUT: -672.45,1528.74 -612.45,1548.74
  rectangle net HPVCC: -1573.46,1729 -1529.46,1768
  rectangle net HPVCC: -1631.46,1726 -1529.46,1745
  rectangle net DCIN-5V: -1273.3,1352.99 -1213.3,1382.99
  rectangle net IPSOUT: -812.3,1339.99 -798.3,1387.99
  rectangle net GND: -142,1533 -92,1689
  rectangle net GND: -316,1528.57 -293,1563
  pour cut-out: 192,1051 192,1203 -86,1203 -89,1206 -113,1182 -113,1141 -111,1139 -40,1139 -40,1050
  pour cut-out: 192,1050.44 192,1202.44 -86,1202.44 -89,1205.44 -113,1181.44 -113,1140.44 -111,1138.44 -40,1138.44 -40,1049.44
  pour cut-out: -225.3,1527.99 -225.3,1129.99 -103.3,1129.99 -103.3,1458.99 -105.3,1460.99 -103.3,1462.99 35.7,1462.99 35.7,1527.99
  pour cut-out: 178.7,1409.99 -109.3,1409.99 -113.3,1405.99 -112.3,1404.99 -112.3,1139 188.68,1139
  pour cut-out: 166.7,669.99 31.7,669.99 30.7,668.99 30.71,355.99 186.7,355.99
  region net IPSOUT: -948.94,1450.1 -949.08,1449.96 -949.11,1449.99 -972.94,1449.99 -972.94,1392.99 -984.94,1380.99 -984.94,1286.99 -1068.94,1286.99 -1068.94,1328.99 -1018.94,1328.99 -1018.94,1452.99 -989.94,1452.99 -970.94,1471.99 -970.94,1478.52 -970.47,1478.99 -948.94,1478.99
  region net DCIN-5V: -1028.94,1484.99 -999.94,1484.99 -994.94,1487.99 -994.94,1497.99 -990.94,1500.99 -990.94,1510.99 -948.94,1510.99 -948.94,1483.99 -975.94,1483.99 -975.94,1475.99 -986.94,1461.99 -1028.94,1461.99
  region net USBVBUS: -1000.94,1528.99 -996.94,1533.99 -996.94,1549.99 -972.94,1549.99 -972.94,1532.99 -967.94,1526.99 -966.41,1524.82 -951.94,1524.99 -937.94,1524.99 -937.94,1514.99 -993.94,1514.99 -994.94,1512.99 -999.94,1499.99 -1001.94,1494.99 -1028.94,1494.99 -1028.94,1528.99
  region net VINT: -961.94,1603.99 -995.94,1603.99 -995.94,1597.99 -1028.94,1597.99 -1028.94,1565.99 -1001.94,1565.99 -998.94,1568.99 -998.94,1578.99 -995.94,1579.99 -983.94,1579.99 -961.94,1578.99
  region net BAT: -934.94,1214.99 -934.94,1233.99 -877.94,1233.99 -877.94,1217.99 -884.94,1210.99 -910.94,1210.99 -910.94,1145.99 -976.94,1145.99 -976.94,1214.99
  region net BAT: -976.94,1380.99 -976.94,1351.99 -910.94,1352.99 -878.94,1384.99 -878.94,1408.99 -906.94,1408.99 -906.94,1394.99 -909.94,1380.99
  region net WIFI_3V3: -859.94,1400.99 -859.94,1377.99 -875.94,1361.99 -890.94,1345.99 -892.94,1306.99 -849.94,1306.99 -849.94,1353.99 -845.94,1361.99 -844.94,1400.99
  pour cut-out: -3190.45,1665.83 -3188.45,1665.83 -3188.45,1669.83 -3190.45,1669.83
  pour cut-out: -970.51,1478.95 -970.57,1478.89 -970.57,1451.72 -950.84,1451.72 -949.08,1449.96 -949.08,1480.78 -965.73,1480.78
  pour cut-out: -3054.02,1113.31 -2684.02,1483.31 -2684.02,1479.92 -2439.02,1234.92 -2809.02,864.92 -2809.02,863.31
  pour cut-out: -3054.02,1113.31 -2687.4,1479.92 -2684.02,1479.92 -2439.02,1234.92 -2809.02,864.92 -2809.02,863.31
  pour cut-out: -2764.02,613.31 -2729.02,613.31 -2729.02,538.31 -2764.02,538.31
  pour cut-out: -2439.02,1133.31 -2429.02,1123.31 -2349.02,1123.31 -2349.02,928.31 -2344.02,923.31 -2484.02,923.31 -2484.02,1023.31 -2490.42,1029.71 -2490.42,1128.95
  pour cut-out: -1949.02,1223.31 -2119.02,1223.31 -2119.02,1188.31 -1949.02,1188.31
  pour cut-out: -2119.02,1188.31 -2294.02,1188.31 -2489.02,993.31 -2564.02,993.31 -2869.02,1298.31 -2634.02,1533.31 -2464.02,1533.31
  pour cut-out: -759.63,1283.41 -759.21,1282.99 -578.4,1282.99 -578.4,1225.81 -759.63,1225.81
  pour cut-out: -634.63,1675.8 -454.71,1675.8 -453.4,1677.11 -453.4,1620.81 -634.63,1620.81
  pour cut-out: -765.74,1665.24 -763.8,1663.31 -734.31,1663.31 -734.31,1648.39 -765.74,1648.39
  pour cut-out: -2123.45,1791.74 -2123.45,1734.74 -2124.45,1733.74 -2309.45,1733.74 -2309.45,1790.74 -2310.45,1791.74
  pour cut-out: -1039.46,1728 -1039.46,1701 -1042.46,1704 -1119.46,1704 -1117.46,1702 -1117.46,1677 -1013.46,1677 -1010.46,1680 -1017.46,1687 -1017.46,1728
  pour cut-out: -2570.45,1762.94 -2570.5,1762.99 -2597.94,1762.99 -2597.94,1729.99 -2590.94,1722.99 -2579.94,1722.99 -2579.94,1752.99 -2570.94,1761.99
  region net WIFI_3V3: -678.94,1592.99 -660.94,1610.99 -660.94,1699.99 -646.94,1716.99 -646.94,1739.99 -630.94,1764.99 -630.94,1802.99 -684.94,1803.99 -684.94,1611.99 -686.94,1605.99 -731.94,1605.99 -731.94,1593.99 -730.94,1592.99
  region net CPU-VDD: -731.94,1587.99 -676.94,1587.99 -653.94,1610.99 -653.94,1697.99 -635.94,1715.99 -635.94,1739.99 -618.94,1756.99 -618.94,1802.99 -454.94,1802.99 -454.94,1676.04 -454.71,1675.8 -455.52,1674.99 -633.94,1674.99 -635.94,1612.99 -669.94,1576.99 -731.94,1576.99
  pour cut-out: -455.91,1618.31 -445.26,1618.31 -444.94,1617.99 -444.94,1622.99 -458.94,1622.99 -459.94,1623.99
  region net IPSOUT: -900.94,1691.99 -860.94,1691.99 -860.94,1641.99 -874.94,1641.99 -874.94,1672.99 -894.94,1672.99 -900.94,1683.99
  pour cut-out: -319,1719 -52,1719 -52,1525.79 -319,1525.79
Singal:
  pour cut-out: 192,1051 192,1203 -86,1203 -89,1206 -113,1182 -113,1141 -111,1139 -40,1139 -40,1050
  pour cut-out: -2285.94,852.99 -2233.94,852.99 -2235.94,850.99 -2235.94,490.99 -2280.94,490.99 -2285.94,495.99
  pour cut-out: 166.7,670.99 31.7,670.99 30.7,669.99 30.71,356.99 186.7,356.99
  pour cut-out: -204.3,1527.99 -225.3,1506.99 -225.3,1129.99 -103.3,1129.99 -103.3,1458.99 -105.3,1460.99 -103.3,1462.99 35.7,1462.99 35.7,1527.99
  pour cut-out: -251.46,1697.99 -91.46,1697.99 -91.46,1525.79 -251.46,1525.79
POWER:
  rectangle net CORE-VDD: -1676.3,775.99 -1636.3,963.99
  rectangle net CORE-VDD: -1194.3,1358.99 -1176.3,1425.99
  rectangle net CPU-VDD: -1221.3,1775.99 -977.3,1795.99
  rectangle net CORE-VDD: -1114.3,1387.29 -1105.3,1539.99
  pour cut-out: 192,1051 192,1203 -86,1203 -89,1206 -113,1182 -113,1141 -111,1139 -40,1139 -40,1050
  pour cut-out: 192,1050.44 192,1202.44 -86,1202.44 -89,1205.44 -113,1181.44 -113,1140.44 -111,1138.44 -40,1138.44 -40,1049.44
  pour cut-out: -998.46,1324 -1000.46,1326 -1000.46,1392 -814.46,1392 -813.46,1391 -814.46,1390 -814.46,1346 -756.46,1346 -754.46,1348 -752.46,1346 -622.46,1346 -622.46,1325 -627.46,1320 -634.46,1327 -1000.46,1327
  pour cut-out: -710.46,1749 -710.46,1725 -623.46,1725 -623.46,1746 -625.46,1748
  pour cut-out: -706.46,1696 -706.46,1562 -628.46,1562 -627.46,1563 -631.46,1567 -631.46,1692
  pour cut-out: -639.46,1524 -707.46,1524 -707.46,1343 -699.46,1335 -623.46,1335 -623.46,1522 -622.46,1523
  pour cut-out: -937.46,1755 -756.46,1755 -755.46,1754 -755.46,1730 -937.46,1730
  pour cut-out: -3027.3,1373.99 -3009.3,1355.99 -3009.3,1354.99 -2925.3,1438.99 -2950.3,1463.99 -2963.3,1463.99 -3037.3,1389.99
  pour cut-out: -1273.12,1680 -1273.3,1679.82 -1273.3,1635.99 -1274.3,1634.99 -1364.3,1634.99 -1364.3,1662.99 -1363.3,1663.99
  pour cut-out: -2627.3,571.99 -2330.3,571.99 -2320.3,581.99 -2320.3,923.99 -2316.3,927.99 -2300.3,927.99 -2298.3,925.99 -2298.3,561.99 -2303.3,556.99 -2627.3,556.99
  pour cut-out: -1850.94,1244.99 -1834.94,1244.99 -1834.94,1213.99 -1864.94,1183.99 -1896.94,1183.99 -1896.94,1192.99 -1898.94,1194.99 -1850.94,1242.99
  pour cut-out: -2379.94,243.99 -2379.94,214.99 -2377.94,212.99 -2306.94,283.99 -2305.94,283.99 -2305.94,289.99 -2218.94,376.99 -2225.94,383.99 -2234.94,383.99
  pour cut-out: 166.7,670.99 31.7,670.99 30.7,669.99 30.71,356.99 186.7,356.99
  pour cut-out: -204.3,1527.99 -225.3,1506.99 -225.3,1129.99 -103.3,1129.99 -103.3,1458.99 -105.3,1460.99 -103.3,1462.99 35.7,1462.99 35.7,1527.99
  pour cut-out: -251.46,1697.99 -91.46,1697.99 -91.46,1525.79 -251.46,1525.79
GND1:
  pour cut-out: 192,1051 192,1203 -86,1203 -89,1206 -113,1182 -113,1141 -111,1139 -40,1139 -40,1050
  pour cut-out: 166.7,669.99 31.7,669.99 30.7,668.99 30.71,355.99 186.7,355.99
  pour cut-out: -204.3,1527.99 -225.3,1506.99 -225.3,1129.99 -103.3,1129.99 -103.3,1458.99 -105.3,1460.99 -103.3,1462.99 35.7,1462.99 35.7,1527.99
  pour cut-out: -251.46,1697.99 -91.46,1697.99 -91.46,1525.79 -251.46,1525.79
GND2:
  pour cut-out: 192,1051 192,1203 -86,1203 -89,1206 -113,1182 -113,1141 -111,1139 -40,1139 -40,1050
  pour cut-out: 166.7,669.99 31.7,669.99 30.7,668.99 30.71,355.99 186.7,355.99
  pour cut-out: -204.3,1527.99 -225.3,1506.99 -225.3,1129.99 -103.3,1129.99 -103.3,1458.99 -105.3,1460.99 -103.3,1462.99 35.7,1462.99 35.7,1527.99
  pour cut-out: -251.46,1697.99 -91.46,1697.99 -91.46,1525.79 -251.46,1525.79
BOTTOM:
  rectangle net GND: -275,1544 -238,1609
  rectangle net USBVBUS: -1334.3,1731.99 -1293.3,1793.99
  rectangle net IPSOUT: -1039.3,813.99 -1019.3,875.99
  rectangle net VCC-WIFI-3V3: -213.3,489.99 -190.3,543.99
  rectangle net BAT: -2753.46,96 -2683.46,142
  rectangle net VCC-5V: -2748.46,181 -2662.46,267
  rectangle net DCIN-5V: -1339.46,1387 -1265.46,1430
  rectangle net USBVBUS: -1348.3,1683.99 -1291.46,1762.99
  rectangle net VCC-5V: -1188.46,764 -1129.46,811
  rectangle net DRAM-VCC: -3203.46,623 -3096.46,673
  rectangle net CORE-VDD: -2010.3,717.99 -1953.3,757.99
  pour cut-out: 192,1051 192,1203 -86,1203 -89,1206 -113,1182 -113,1141 -111,1139 -40,1139 -40,1050
  pour cut-out: 32.2,667.48 32.21,667.49 32.21,680.34 32.73,680.86 36.82,680.86 36.82,678.63 41.26,674.19 38.67,671.6 38.67,666.86
  pour cut-out: -930.45,730.83 -930.45,776.83 -932.45,778.83 -933.45,777.83 -933.45,730.83 -934.45,729.83
  pour cut-out: -1107.45,707.83 -1119.45,707.83 -1119.64,708.02 -1119.64,718.83 -1112.45,718.83 -1112.45,712.83 -1108.45,712.83 -1107.45,711.83
  pour cut-out: -930.45,730.83 -930.45,708.83 -942.45,708.83 -942.45,712.83 -933.45,712.83 -934.45,713.83 -934.45,730.83
  pour cut-out: -3060.45,1808.74 -3062.45,1806.74 -3062.45,1623.74 -3006.45,1623.74 -3004.45,1621.74 -2998.45,1627.74 -2998.45,1807.47
  pour cut-out: -1107.25,1035.72 -1096.46,1035.72 -1096.46,1030.18 -1107.25,1030.18
  pour cut-out: -1268.66,1650 -1268.46,1649.8 -1268.46,1619 -995.46,1619 -998.46,1622 -998.46,1640
  pour cut-out: 99.7,667.99 99.7,561.99 100.7,560.99 101.7,561.99 127.7,561.99 127.7,669.99 128.7,668.99 160.7,668.99 160.7,355.99 159.7,354.99 115.7,354.99 115.7,395.99 74.7,395.99 74.7,352.99 73.2,354.49 32.2,354.49 32.2,667.49 31.7,667.99
  pour cut-out: -2119.94,259.99 -2117.94,261.99 -2048.94,261.99 -2048.94,242.99 -2049.94,243.99 -2118.94,243.99
  pour cut-out: -204.3,1527.99 -225.3,1506.99 -225.3,1129.99 -103.3,1129.99 -103.3,1458.99 -105.3,1460.99 -103.3,1462.99 35.7,1462.99 35.7,1527.99
  pour cut-out: -92.57,1108.45 -88.12,1104 -57,1104 -44,1117 -44,1149 -88,1149 -93,1154
  pour cut-out: -61.29,1078.58 -61,1078.29 -61,985 -9,985 -7,987 -7,1099
  pour cut-out: -149.61,1697.99 -149.61,1610.24 -153.54,1606.3 -251.46,1606.3 -251.46,1525.79 -91.46,1525.79 -91.46,1697.99

## Silkscreen, mask and mechanical layers (free items; w line width, h text height)
Silkscreen Top:
  lines w15: -3244.09,677.17 -3244.09,590.55 -3157.48,590.55 ; -3244.09,775.59 -3244.09,826.77 ; -3244.09,921.26 -3244.09,976.38 ; -3244.09,1070.87 -3244.09,1171.28 -3213.79,1199.58 ; -3142.09,1271.14 -3096.18,1314 ; -3055.12,590.55 -2984.25,590.55 -2984.25,570.87 ; -3030.09,1385.28 -2871.18,1537 ; -2984.25,511.81 -2984.25,492.13 -2944.88,492.13 ; -2842.52,492.13 -2771.65,492.13 -2771.65,444.88 ; -2804.09,1604.28 -2746.44,1659.32 ; -2771.65,275.59 -2771.65,23.62 -2724.41,23.62 ; -2771.65,346.46 -2771.65,366.14 ; -2745.5,1658.74 -2735.19,1647.94 ; -2665.5,1574.74 -2653.76,1563 -2618.11,1563 ; -2629.92,23.62 -2590.55,23.62 ; -2507.87,1563 -2397.64,1563 ; -2488.19,23.62 -2433.07,23.62 ; -2291.34,23.62 -2173.23,23.62 ; -2255.91,1563 -2157.48,1563 ; -2055.12,1562.99 -2015.75,1562.99 -2015.75,1535.43 ; -2031.5,23.62 -1913.39,23.62 ; -2015.75,1456.69 -1925.2,1456.69 ; -2015.75,1457.56 -2015.75,1480.32 ; -1834.65,1456.69 -1811.02,1456.69 -1811.02,1437.01 ; -1811.02,1220.47 -1811.02,1080.71 -1413.39,1080.71 -1413.39,866.14 ; -1811.02,1318.9 -1811.02,1342.52 ; -1775.59,23.62 -1657.48,23.62 ; -1519.69,23.62 -1413.39,23.62 -1413.39,47.24 ; -1413.39,118.11 -1413.39,224.41 ; -1413.39,299.21 -1413.39,397.64 ; -1413.39,492.13 -1413.39,551.18 ; -1413.39,606.3 -1413.39,811.02
  text "11BRANMB10G-ClearGrass-2017/8/26-PVT" at -2019,1831 h50
  text "4#" at -2679.46,66 h30 r90
Silkscreen Bottom:
  drawing of 636 lines, arcs and shapes, not listed
  text "4#" at -394.46,811 h30
  text "Danger! Electric" at -2454.45,736.74 h30